# Altium PCB 3-as-manufactured.PcbDoc (part 2 of 16)
Units mil, origin at the board's own origin, x right, y up, seen from the top; angles counter-clockwise.
Board outline 4130.55 x 4250 mil, 8 copper layers (L1_TOP, L2_GND, L3_INT, L4_PWR, L5_PWR, L6_INT, L7_GND, L8_BOT), stack 61 mil thick; 584 components, 489 nets, 2229 pads, 1894 vias.
Unrouted connection lines stored in the file: 4.
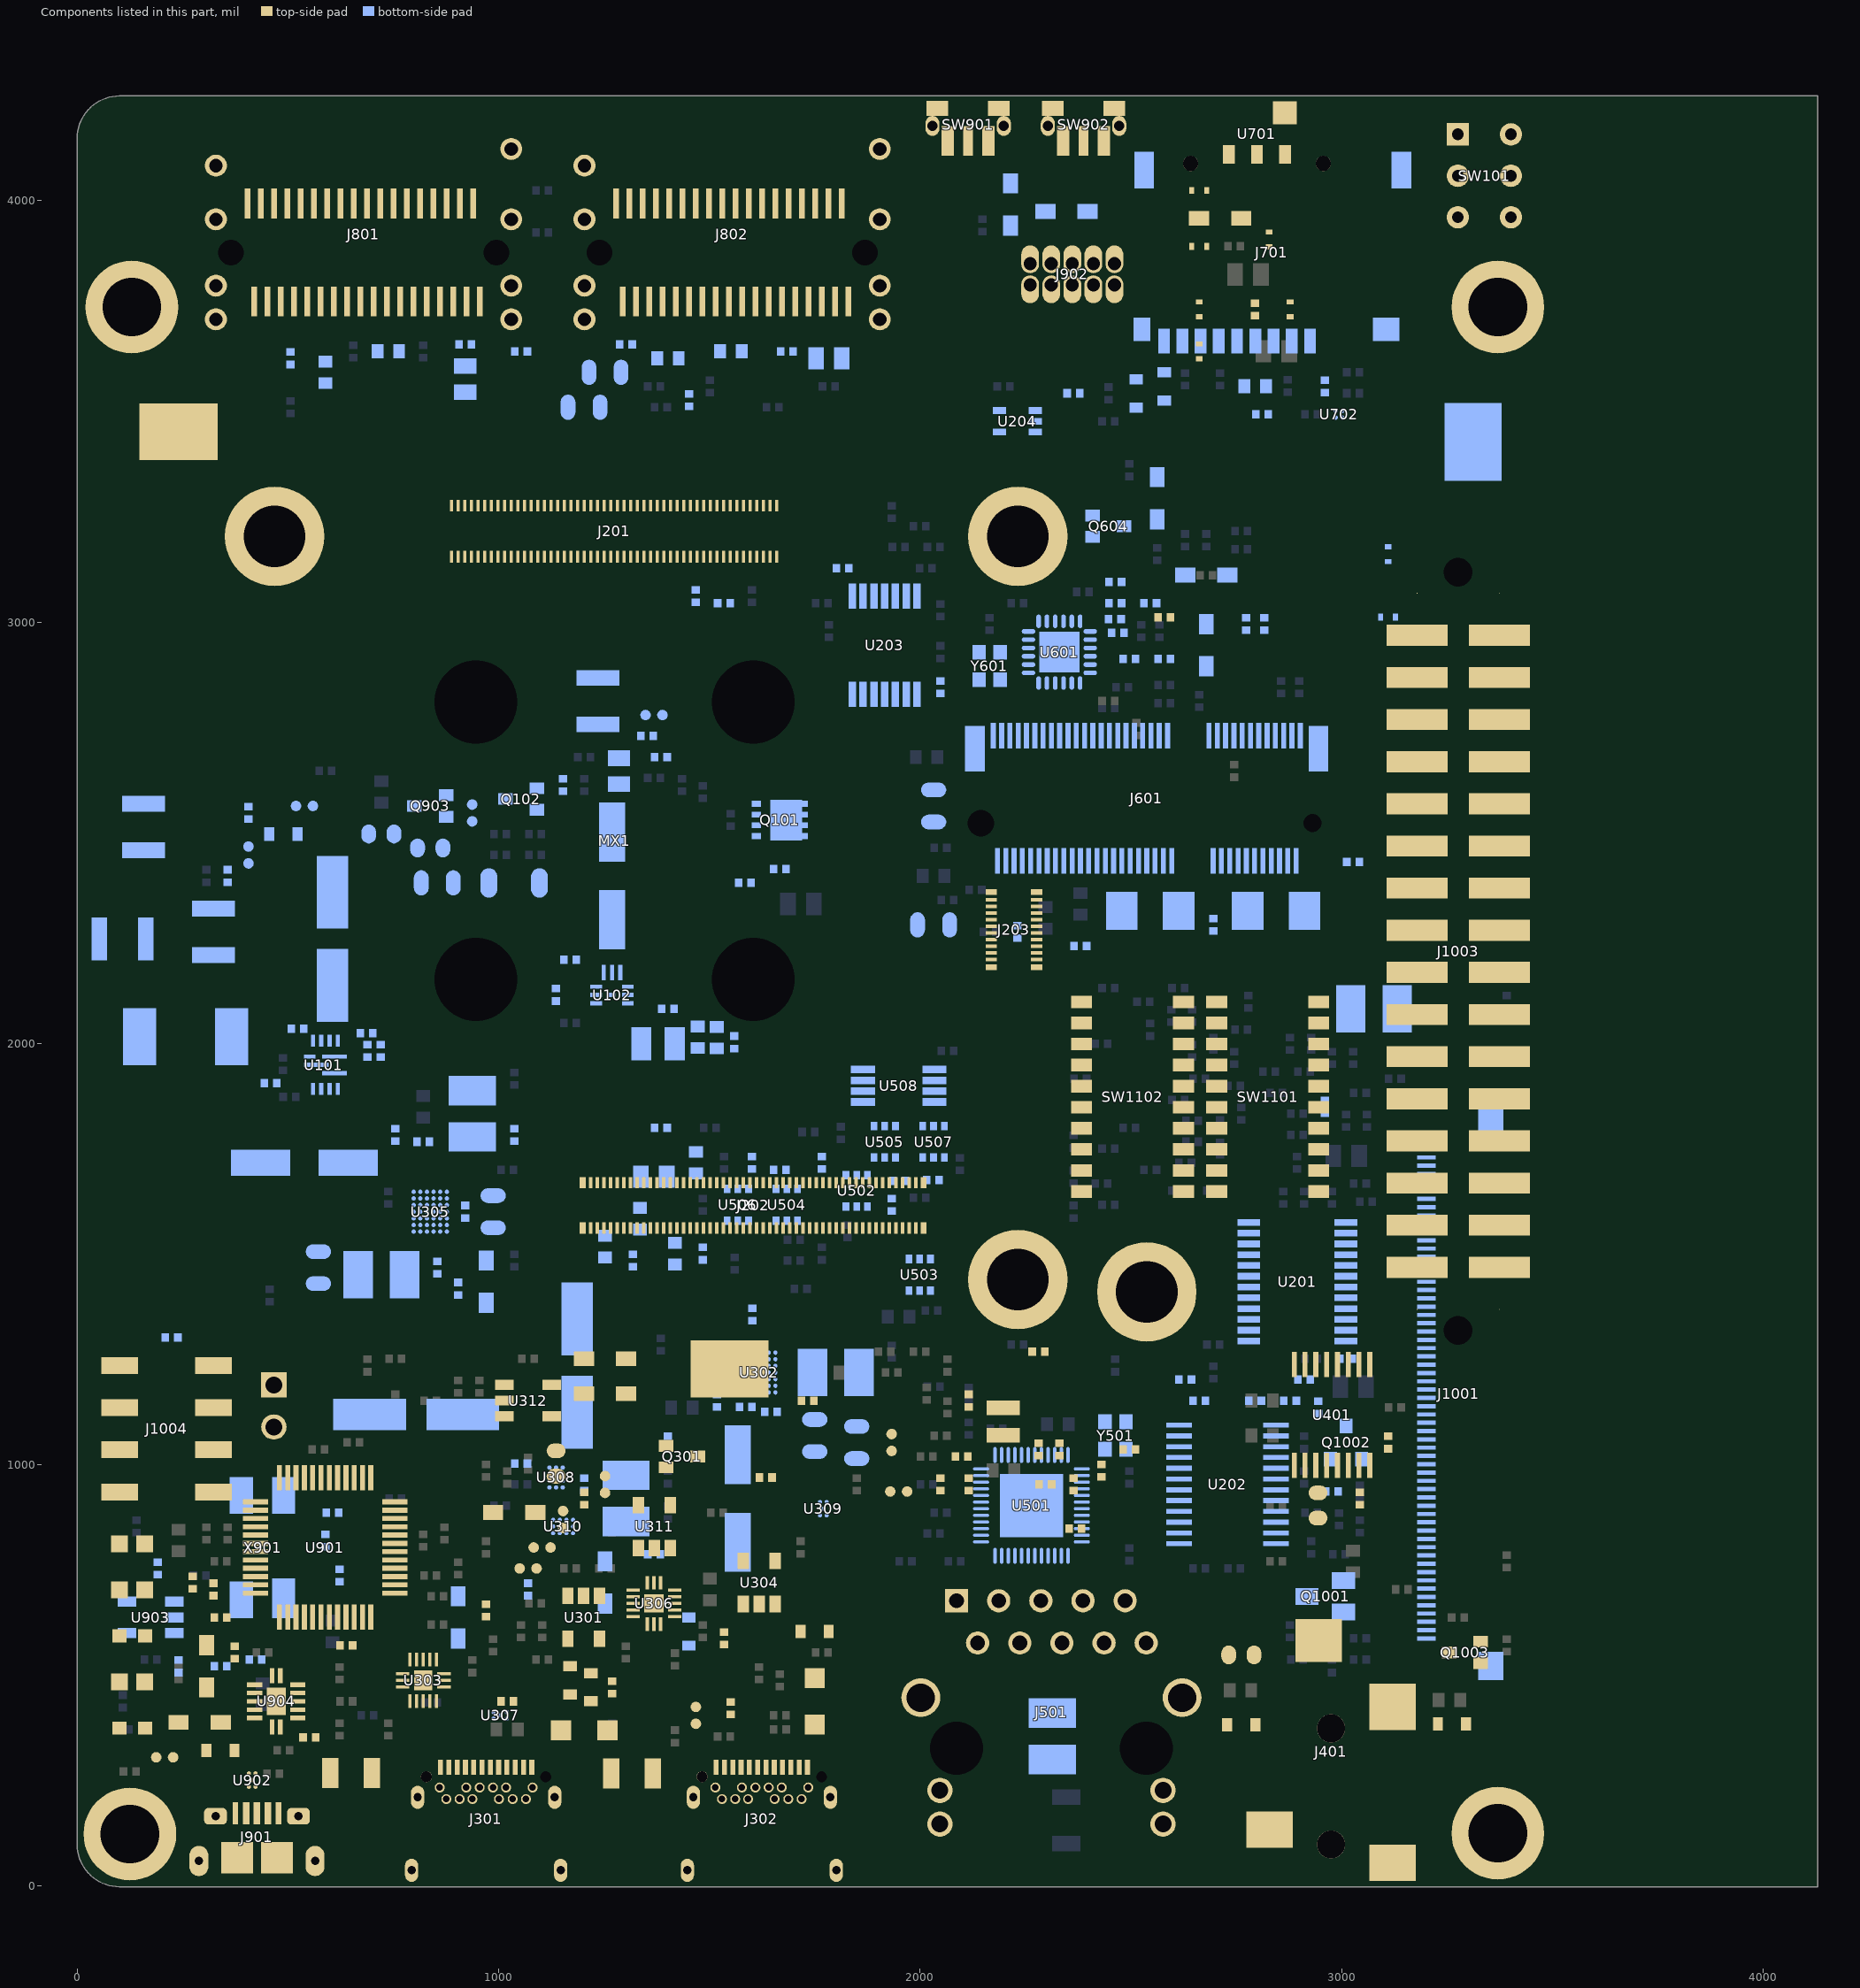
[diagram p8: the components of this part, seen from the top]

## Footprints (in the part's own frame and the unit in brackets; to place one, negate y for a bottom-side part, rotate by r counter-clockwise, add the part's x,y. Pads: shape width x height; smd on the part's side, far side on the other; paste and mask are expansions set on the pad) (continued)
1210_CC [mil] "1210_CC"
  rect 37x102 smd: 1(-55.12,0) 2(55.12,0)
  silkscreen extent -74,-60 74,60, body extent -63,-49 63,49, height 24
C197X364 [mil] "C197X364"
  round 0 hole 197 slot 364 at 0 deg unplated: ""(-465.6,-465.6) ""(465.6,-465.6)
  round 0 hole 197 slot 364 at 90 deg unplated: ""(0,0) ""(0,-931.2)
case_d_al [mil] "CASE_D_AL"
  rect 140x62 smd: 1(-104,0) 2(104,0)
  silkscreen extent -141,-141 141,141, body extent -138,-130 138,130, height 213
CC0603_OV [mil] "CC0603_OV"
  oval 35x45 smd: 1(-30,0) 2(30,0)
  L1_TOP keep-out region: -10,20 10,20 10,-20 -10,-20
  silkscreen extent -5,-25 5,25, body extent -31,-16 31,16, height 22
CC1210 [mil] "CC1210"
  rect 70x112 smd: 1(-55,0) 2(55,0)
  silkscreen extent -97,-63 97,63, body extent -63,-49 63,49, height 47
cc3528-21 [mil] "CC3528-21"
  rect 75x90 smd: 1(-67.5,0) 2(67.5,0)
  silkscreen extent -80,-66 80,66, body extent -73,-58 73,58, height 80
cce8p3x8p3 [mil] "CCE8P3X8P3"
  rect 173x75 smd: 1(-110.5,0) 2(110.5,0)
  silkscreen extent -179,-179 179,179, body extent -195,-163 195,163, height 402
con9_sdcard_1p1mm [mil] "CON9_SDCARD_1P1MM"
  rect 28x59 smd: 1(-88.58,-283.49) 2(-45.28,-283.49) 3(-1.97,-283.49) 4(41.34,-283.49) 5(84.65,-283.49) 6(127.95,-283.49) 7(171.26,-283.49) 8(214.57,-283.49) 9(257.87,-283.49)
  rect 40x55 smd: 10(310,-255.93)
  rect 47x87 smd: 11(305.12,122.03) 12(-305.12,122.03)
  rect 63x55 smd: 13(-269.68,-255.93)
  round 36 hole 36 unplated: ""(-120.08,137.79) ""(194.88,137.79)
  L1_TOP keep-out region: -119,-227.29 -119,50.64 271.65,50.64 271.65,-228.37 -120.08,-228.37
  L1_TOP keep-out region: -166.5,5.64 -166.5,-194.36 -259,-194.36 -259,5.64
  L1_TOP keep-out region: -250,137.1 -250,388.64 -198.5,388.64 -198.5,34.64 -223.92,34.64 -226.38,37.1 -226.38,113.48 -231.38,118.48
  silkscreen extent -290,-276 290,285, body extent -315,-304 319,368, height 77
CON20_0P4_5P7X2P05_SM [mil] "CON20_0P4_5P7X2P05_SM"
  rect 8x27 smd: 1(70.87,-53.85) 2(70.87,53.85) 3(55.12,-53.85) 4(55.12,53.85) 5(39.37,-53.85) 6(39.37,53.85) 7(23.62,-53.85) 8(23.62,53.85) 9(7.87,-53.85) 10(7.87,53.85) 11(-7.87,-53.85) 12(-7.87,53.85) 13(-23.62,-53.85) 14(-23.62,53.85) 15(-39.37,-53.85) 16(-39.37,53.85) 17(-55.12,-53.85) 18(-55.12,53.85) 19(-70.87,-53.85) 20(-70.87,53.85)
  rect 14x27 smd: ""(-89.57,53.85) ""(-89.57,-53.85) ""(89.57,53.85) ""(89.57,-53.85)
  silkscreen extent -120,-47 120,47, body extent -109,-57 109,60, height 45
con100_0p4_21p7x2p05_sm [mil] "CON100_0P4_21P7X2P05_SM"
  rect 8x27 smd: 1(385.83,-53.85) 2(385.83,53.85) 3(370.08,-53.85) 4(370.08,53.85) 5(354.33,-53.85) 6(354.33,53.85) 7(338.58,-53.85) 8(338.58,53.85) 9(322.83,-53.85) 10(322.83,53.85) 11(307.09,-53.85) 12(307.09,53.85) 13(291.34,-53.85) 14(291.34,53.85) 15(275.59,-53.85) 16(275.59,53.85) 17(259.84,-53.85) 18(259.84,53.85) 19(244.09,-53.85) 20(244.09,53.85) 21(228.35,-53.85) 22(228.35,53.85) 23(212.6,-53.85) 24(212.6,53.85) 25(196.85,-53.85) 26(196.85,53.85) 27(181.1,-53.85) 28(181.1,53.85) 29(165.35,-53.85) 30(165.35,53.85) 31(149.61,-53.85) 32(149.61,53.85) 33(133.86,-53.85) 34(133.86,53.85) 35(118.11,-53.85) 36(118.11,53.85) 37(102.36,-53.85) 38(102.36,53.85) 39(86.61,-53.85) 40(86.61,53.85) 41(70.87,-53.85) 42(70.87,53.85) 43(55.12,-53.85) 44(55.12,53.85) 45(39.37,-53.85) 46(39.37,53.85) 47(23.62,-53.85) 48(23.62,53.85) 49(7.87,-53.85) 50(7.87,53.85) 51(-7.87,-53.85) 52(-7.87,53.85) 53(-23.62,-53.85) 54(-23.62,53.85) 55(-39.37,-53.85) 56(-39.37,53.85) 57(-55.12,-53.85) 58(-55.12,53.85) 59(-70.87,-53.85) 60(-70.87,53.85) 61(-86.61,-53.85) 62(-86.61,53.85) 63(-102.36,-53.85) 64(-102.36,53.85) 65(-118.11,-53.85) 66(-118.11,53.85) 67(-133.86,-53.85) 68(-133.86,53.85) 69(-149.61,-53.85) 70(-149.61,53.85) 71(-165.35,-53.85) 72(-165.35,53.85) 73(-181.1,-53.85) 74(-181.1,53.85) 75(-196.85,-53.85) 76(-196.85,53.85) 77(-212.6,-53.85) 78(-212.6,53.85) 79(-228.35,-53.85) 80(-228.35,53.85) 81(-244.09,-53.85) 82(-244.09,53.85) 83(-259.84,-53.85) 84(-259.84,53.85) 85(-275.59,-53.85) 86(-275.59,53.85) 87(-291.34,-53.85) 88(-291.34,53.85) 89(-307.09,-53.85) 90(-307.09,53.85) 91(-322.83,-53.85) 92(-322.83,53.85) 93(-338.58,-53.85) 94(-338.58,53.85) 95(-354.33,-53.85) 96(-354.33,53.85) 97(-370.08,-53.85) 98(-370.08,53.85) 99(-385.83,-53.85) 100(-385.83,53.85)
  rect 14x27 smd: ""(-404.53,-53.85) ""(-404.53,53.85) ""(404.53,-53.85) ""(404.53,53.85)
  silkscreen extent -435,-47 435,47, body extent -445,-67 445,67, height 58
con100_0p4_22p8x3p1_sm [mil] "CON100_0P4_22P8X3P1_SM"
  rect 8x28 smd: 1(-385.83,-60.63) 2(-385.83,60.63) 3(-370.08,-60.63) 4(-370.08,60.63) 5(-354.33,-60.63) 6(-354.33,60.63) 7(-338.58,-60.63) 8(-338.58,60.63) 9(-322.83,-60.63) 10(-322.83,60.63) 11(-307.09,-60.63) 12(-307.09,60.63) 13(-291.34,-60.63) 14(-291.34,60.63) 15(-275.59,-60.63) 16(-275.59,60.63) 17(-259.84,-60.63) 18(-259.84,60.63) 19(-244.09,-60.63) 20(-244.09,60.63) 21(-228.35,-60.63) 22(-228.35,60.63) 23(-212.6,-60.63) 24(-212.6,60.63) 25(-196.85,-60.63) 26(-196.85,60.63) 27(-181.1,-60.63) 28(-181.1,60.63) 29(-165.35,-60.63) 30(-165.35,60.63) 31(-149.61,-60.63) 32(-149.61,60.63) 33(-133.86,-60.63) 34(-133.86,60.63) 35(-118.11,-60.63) 36(-118.11,60.63) 37(-102.36,-60.63) 38(-102.36,60.63) 39(-86.61,-60.63) 40(-86.61,60.63) 41(-70.87,-60.63) 42(-70.87,60.63) 43(-55.12,-60.63) 44(-55.12,60.63) 45(-39.37,-60.63) 46(-39.37,60.63) 47(-23.62,-60.63) 48(-23.62,60.63) 49(-7.87,-60.63) 50(-7.87,60.63) 51(7.87,-60.63) 52(7.87,60.63) 53(23.62,-60.63) 54(23.62,60.63) 55(39.37,-60.63) 56(39.37,60.63) 57(55.12,-60.63) 58(55.12,60.63) 59(70.87,-60.63) 60(70.87,60.63) 61(86.61,-60.63) 62(86.61,60.63) 63(102.36,-60.63) 64(102.36,60.63) 65(118.11,-60.63) 66(118.11,60.63) 67(133.86,-60.63) 68(133.86,60.63) 69(149.61,-60.63) 70(149.61,60.63) 71(165.35,-60.63) 72(165.35,60.63) 73(181.1,-60.63) 74(181.1,60.63) 75(196.85,-60.63) 76(196.85,60.63) 77(212.6,-60.63) 78(212.6,60.63) 79(228.35,-60.63) 80(228.35,60.63) 81(244.09,-60.63) 82(244.09,60.63) 83(259.84,-60.63) 84(259.84,60.63) 85(275.59,-60.63) 86(275.59,60.63) 87(291.34,-60.63) 88(291.34,60.63) 89(307.09,-60.63) 90(307.09,60.63) 91(322.83,-60.63) 92(322.83,60.63) 93(338.58,-60.63) 94(338.58,60.63) 95(354.33,-60.63) 96(354.33,60.63) 97(370.08,-60.63) 98(370.08,60.63) 99(385.83,-60.63) 100(385.83,60.63)
  L1_TOP keep-out region: -342.58,-29.53 -342.58,-46.63 -334.58,-46.63 -334.58,-29.53
  L1_TOP keep-out region: -326.83,-29.53 -326.83,-46.63 -318.83,-46.63 -318.83,-29.53
  L1_TOP keep-out region: -358.33,-29.53 -358.33,-46.63 -350.33,-46.63 -350.33,-29.53
  L1_TOP keep-out region: -389.83,-29.53 -389.83,-46.63 -381.83,-46.63 -381.83,-29.53
  L1_TOP keep-out region: -374.08,-29.53 -374.08,-46.63 -366.08,-46.63 -366.08,-29.53
  L1_TOP keep-out region: 366.08,-29.53 366.08,-46.63 374.08,-46.63 374.08,-29.53
  L1_TOP keep-out region: 381.83,-29.53 381.83,-46.63 389.83,-46.63 389.83,-29.53
  L1_TOP keep-out region: 350.33,-29.53 350.33,-46.63 358.33,-46.63 358.33,-29.53
  L1_TOP keep-out region: 318.83,-29.53 318.83,-46.63 326.83,-46.63 326.83,-29.53
  L1_TOP keep-out region: 334.58,-29.53 334.58,-46.63 342.58,-46.63 342.58,-29.53
  L1_TOP keep-out region: 381.83,46.63 381.83,29.53 389.83,29.53 389.83,46.63
  L1_TOP keep-out region: 366.08,46.63 366.08,29.53 374.08,29.53 374.08,46.63
  L1_TOP keep-out region: 350.33,46.63 350.33,29.53 358.33,29.53 358.33,46.63
  L1_TOP keep-out region: 318.83,46.63 318.83,29.53 326.83,29.53 326.83,46.63
  L1_TOP keep-out region: 334.58,46.63 334.58,29.53 342.58,29.53 342.58,46.63
  L1_TOP keep-out region: -326.83,46.63 -326.83,29.53 -318.83,29.53 -318.83,46.63
  L1_TOP keep-out region: -342.58,46.63 -342.58,29.53 -334.58,29.53 -334.58,46.63
  L1_TOP keep-out region: -358.33,46.63 -358.33,29.53 -350.33,29.53 -350.33,46.63
  L1_TOP keep-out region: -389.83,46.63 -389.83,29.53 -381.83,29.53 -381.83,46.63
  L1_TOP keep-out region: -374.08,46.63 -374.08,29.53 -366.08,29.53 -366.08,46.63
  L1_TOP keep-out region: 303.09,46.63 303.09,29.53 311.09,29.53 311.09,46.63
  L1_TOP keep-out region: 287.34,46.63 287.34,29.53 295.34,29.53 295.34,46.63
  L1_TOP keep-out region: 271.59,46.63 271.59,29.53 279.59,29.53 279.59,46.63
  L1_TOP keep-out region: 255.84,46.63 255.84,29.53 263.84,29.53 263.84,46.63
  L1_TOP keep-out region: 240.09,46.63 240.09,29.53 248.09,29.53 248.09,46.63
  L1_TOP keep-out region: 303.09,-29.53 303.09,-46.63 311.09,-46.63 311.09,-29.53
  L1_TOP keep-out region: 287.34,-29.53 287.34,-46.63 295.34,-46.63 295.34,-29.53
  L1_TOP keep-out region: 271.59,-29.53 271.59,-46.63 279.59,-46.63 279.59,-29.53
  L1_TOP keep-out region: 255.84,-29.53 255.84,-46.63 263.84,-46.63 263.84,-29.53
  L1_TOP keep-out region: 240.09,-29.53 240.09,-46.63 248.09,-46.63 248.09,-29.53
  L1_TOP keep-out region: -137.86,46.63 -137.86,29.53 -129.86,29.53 -129.86,46.63
  L1_TOP keep-out region: -137.86,-29.53 -137.86,-46.63 -129.86,-46.63 -129.86,-29.53
  L1_TOP keep-out region: -153.61,46.63 -153.61,29.53 -145.61,29.53 -145.61,46.63
  L1_TOP keep-out region: -153.61,-29.53 -153.61,-46.63 -145.61,-46.63 -145.61,-29.53
  L1_TOP keep-out region: -169.35,46.63 -169.35,29.53 -161.35,29.53 -161.35,46.63
  L1_TOP keep-out region: -169.35,-29.53 -169.35,-46.63 -161.35,-46.63 -161.35,-29.53
  L1_TOP keep-out region: -200.85,46.63 -200.85,29.53 -192.85,29.53 -192.85,46.63
  L1_TOP keep-out region: -185.1,46.63 -185.1,29.53 -177.1,29.53 -177.1,46.63
  L1_TOP keep-out region: -200.85,-29.53 -200.85,-46.63 -192.85,-46.63 -192.85,-29.53
  L1_TOP keep-out region: -185.1,-29.53 -185.1,-46.63 -177.1,-46.63 -177.1,-29.53
  L1_TOP keep-out region: -216.6,46.63 -216.6,29.53 -208.6,29.53 -208.6,46.63
  L1_TOP keep-out region: -216.6,-29.53 -216.6,-46.63 -208.6,-46.63 -208.6,-29.53
  L1_TOP keep-out region: -232.35,46.63 -232.35,29.53 -224.35,29.53 -224.35,46.63
  L1_TOP keep-out region: -232.35,-29.53 -232.35,-46.63 -224.35,-46.63 -224.35,-29.53
  L1_TOP keep-out region: -263.84,46.63 -263.84,29.53 -255.84,29.53 -255.84,46.63
  L1_TOP keep-out region: -248.09,46.63 -248.09,29.53 -240.09,29.53 -240.09,46.63
  L1_TOP keep-out region: -263.84,-29.53 -263.84,-46.63 -255.84,-46.63 -255.84,-29.53
  L1_TOP keep-out region: -248.09,-29.53 -248.09,-46.63 -240.09,-46.63 -240.09,-29.53
  L1_TOP keep-out region: -279.59,46.63 -279.59,29.53 -271.59,29.53 -271.59,46.63
  L1_TOP keep-out region: -279.59,-29.53 -279.59,-46.63 -271.59,-46.63 -271.59,-29.53
  L1_TOP keep-out region: -295.34,46.63 -295.34,29.53 -287.34,29.53 -287.34,46.63
  L1_TOP keep-out region: -295.34,-29.53 -295.34,-46.63 -287.34,-46.63 -287.34,-29.53
  L1_TOP keep-out region: -311.09,46.63 -311.09,29.53 -303.09,29.53 -303.09,46.63
  L1_TOP keep-out region: -311.09,-29.53 -311.09,-46.63 -303.09,-46.63 -303.09,-29.53
  L1_TOP keep-out region: 224.35,46.63 224.35,29.53 232.35,29.53 232.35,46.63
  L1_TOP keep-out region: 224.35,-29.53 224.35,-46.63 232.35,-46.63 232.35,-29.53
  L1_TOP keep-out region: 208.6,46.63 208.6,29.53 216.6,29.53 216.6,46.63
  L1_TOP keep-out region: 208.6,-29.53 208.6,-46.63 216.6,-46.63 216.6,-29.53
  L1_TOP keep-out region: 192.85,46.63 192.85,29.53 200.85,29.53 200.85,46.63
  L1_TOP keep-out region: 192.85,-29.53 192.85,-46.63 200.85,-46.63 200.85,-29.53
  L1_TOP keep-out region: 161.35,46.63 161.35,29.53 169.35,29.53 169.35,46.63
  L1_TOP keep-out region: 177.1,46.63 177.1,29.53 185.1,29.53 185.1,46.63
  L1_TOP keep-out region: 161.35,-29.53 161.35,-46.63 169.35,-46.63 169.35,-29.53
  L1_TOP keep-out region: 177.1,-29.53 177.1,-46.63 185.1,-46.63 185.1,-29.53
  L1_TOP keep-out region: 145.61,46.63 145.61,29.53 153.61,29.53 153.61,46.63
  L1_TOP keep-out region: 145.61,-29.53 145.61,-46.63 153.61,-46.63 153.61,-29.53
  L1_TOP keep-out region: 129.86,46.63 129.86,29.53 137.86,29.53 137.86,46.63
  L1_TOP keep-out region: 129.86,-29.53 129.86,-46.63 137.86,-46.63 137.86,-29.53
  L1_TOP keep-out region: 98.36,46.63 98.36,29.53 106.36,29.53 106.36,46.63
  L1_TOP keep-out region: 114.11,46.63 114.11,29.53 122.11,29.53 122.11,46.63
  L1_TOP keep-out region: 98.36,-29.53 98.36,-46.63 106.36,-46.63 106.36,-29.53
  L1_TOP keep-out region: 114.11,-29.53 114.11,-46.63 122.11,-46.63 122.11,-29.53
  L1_TOP keep-out region: 82.61,46.63 82.61,29.53 90.61,29.53 90.61,46.63
  L1_TOP keep-out region: 82.61,-29.53 82.61,-46.63 90.61,-46.63 90.61,-29.53
  L1_TOP keep-out region: 66.87,46.63 66.87,29.53 74.87,29.53 74.87,46.63
  L1_TOP keep-out region: 66.87,-29.53 66.87,-46.63 74.87,-46.63 74.87,-29.53
  L1_TOP keep-out region: 35.37,-29.53 35.37,-46.63 43.37,-46.63 43.37,-29.53
  L1_TOP keep-out region: 19.62,-29.53 19.62,-46.63 27.62,-46.63 27.62,-29.53
  L1_TOP keep-out region: 3.87,-29.53 3.87,-46.63 11.87,-46.63 11.87,-29.53
  L1_TOP keep-out region: -11.87,-29.53 -11.87,-46.63 -3.87,-46.63 -3.87,-29.53
  L1_TOP keep-out region: -27.62,-29.53 -27.62,-46.63 -19.62,-46.63 -19.62,-29.53
  L1_TOP keep-out region: -43.37,-29.53 -43.37,-46.63 -35.37,-46.63 -35.37,-29.53
  L1_TOP keep-out region: -59.12,-29.53 -59.12,-46.63 -51.12,-46.63 -51.12,-29.53
  L1_TOP keep-out region: -74.87,-29.53 -74.87,-46.63 -66.87,-46.63 -66.87,-29.53
  L1_TOP keep-out region: -90.61,-29.53 -90.61,-46.63 -82.61,-46.63 -82.61,-29.53
  L1_TOP keep-out region: -106.36,-29.53 -106.36,-46.63 -98.36,-46.63 -98.36,-29.53
  L1_TOP keep-out region: -122.11,-29.53 -122.11,-46.63 -114.11,-46.63 -114.11,-29.53
  L1_TOP keep-out region: 51.12,-29.53 51.12,-46.63 59.12,-46.63 59.12,-29.53
  L1_TOP keep-out region: 51.12,46.63 51.12,29.53 59.12,29.53 59.12,46.63
  L1_TOP keep-out region: 35.37,46.63 35.37,29.53 43.37,29.53 43.37,46.63
  L1_TOP keep-out region: 19.62,46.63 19.62,29.53 27.62,29.53 27.62,46.63
  L1_TOP keep-out region: 3.87,46.63 3.87,29.53 11.87,29.53 11.87,46.63
  L1_TOP keep-out region: -11.87,46.63 -11.87,29.53 -3.87,29.53 -3.87,46.63
  L1_TOP keep-out region: -27.62,46.63 -27.62,29.53 -19.62,29.53 -19.62,46.63
  L1_TOP keep-out region: -43.37,46.63 -43.37,29.53 -35.37,29.53 -35.37,46.63
  L1_TOP keep-out region: -59.12,46.63 -59.12,29.53 -51.12,29.53 -51.12,46.63
  L1_TOP keep-out region: -74.87,46.63 -74.87,29.53 -66.87,29.53 -66.87,46.63
  L1_TOP keep-out region: -90.61,46.63 -90.61,29.53 -82.61,29.53 -82.61,46.63
  L1_TOP keep-out region: -106.36,46.63 -106.36,29.53 -98.36,29.53 -98.36,46.63
  L1_TOP keep-out region: -122.11,46.63 -122.11,29.53 -114.11,29.53 -114.11,46.63
  silkscreen extent -456,-69 456,69, body extent -445,-67 445,67, height 58
CON_2RH_10_50 [mil] "CON_2RH_10_50"
  oval 42x66 hole 31 copper offset 0,-10.5: 1(0,0) 3(50,0) 5(100,0) 7(150,0) 9(200,0)
  oval 42x66 hole 31 copper offset 0,10.5: 2(0,50) 4(50,50) 6(100,50) 8(150,50) 10(200,50)
  silkscreen extent -55,-55 255,105, body extent -50,-50 250,100, height 228
CON_2X4_SKT_100_SM [mil] "CON_2X4_SKT_100_SM"
  rect 88x40 smd: 1(111.25,150) 2(-111.25,150) 3(111.25,50) 4(-111.25,50) 5(111.25,-50) 6(-111.25,-50) 7(111.25,-150) 8(-111.25,-150)
  silkscreen extent -107,-212 107,212, body extent -104,-200 104,200, height 236
CON_36_0P8_TH [mil] "CON_36_0P8_TH"
  rect 14x71 smd: A1(-259.84,-116.14) A2(-228.35,-116.14) A3(-196.85,-116.14) A4(-165.35,-116.14) A5(-133.86,-116.14) A6(-102.36,-116.14) A7(-70.87,-116.14) A8(-39.37,-116.14) A9(-7.87,-116.14) A10(23.62,-116.14) A11(55.12,-116.14) A12(86.61,-116.14) A13(118.11,-116.14) A14(149.61,-116.14) A15(181.1,-116.14) A16(212.6,-116.14) A17(244.09,-116.14) A18(275.59,-116.14) B1(-275.59,116.14) B2(-244.09,116.14) B3(-212.6,116.14) B4(-181.1,116.14) B5(-149.61,116.14) B6(-118.11,116.14) B7(-86.61,116.14) B8(-55.12,116.14) B9(-23.62,116.14) B10(7.87,116.14) B11(39.37,116.14) B12(70.87,116.14) B13(102.36,116.14) B14(133.86,116.14) B15(165.35,116.14) B16(196.85,116.14) B17(228.35,116.14) B18(259.84,116.14)
  round 52 hole 32: T1(-350.39,-158.66) T2(-350.39,-78.74) T3(-350.39,78.74) T4(-350.39,206.3) T5(350.39,-158.66) T6(350.39,-78.74) T7(350.39,78.74) T8(350.39,245.67)
  round 10 hole 61 unplated: ""(-314.96,0) ""(314.96,0)
  L1_TOP keep-out region: 362.8,-212.57 362.8,309.65 337.99,309.65 337.99,-212.57
  L1_TOP keep-out region: -337.99,-212.57 -337.99,309.82 -362.8,309.82 -362.8,-212.57
  L8_BOT keep-out region: -324.18,206.3 -325.07,213.08 -327.69,219.41 -331.85,224.84 -337.28,229 -343.61,231.62 -350.39,232.52 -357.18,231.62 -363.5,229 -363.5,229 -368.93,224.84 -373.1,219.41 -375.72,213.08 -376.61,206.3 -375.72,199.51 -373.1,193.19 -368.93,187.76 -363.5,183.59 -363.5,183.59 -357.18,180.97 -350.39,180.08 -343.61,180.97 -337.28,183.59 -331.85,187.76 -327.69,193.19 -325.07,199.51 -324.18,206.3
  L8_BOT keep-out region: -324.18,78.74 -325.07,85.53 -327.69,91.85 -331.85,97.28 -337.28,101.45 -343.61,104.06 -350.39,104.96 -357.18,104.06 -363.5,101.45 -363.5,101.45 -368.93,97.28 -373.1,91.85 -375.72,85.53 -376.61,78.74 -375.72,71.95 -373.1,65.63 -368.93,60.2 -363.5,56.03 -363.5,56.03 -357.18,53.42 -350.39,52.52 -343.61,53.42 -337.28,56.03 -331.85,60.2 -327.69,65.63 -325.07,71.95 -324.18,78.74
  L8_BOT keep-out region: -324.18,-78.74 -325.07,-71.95 -327.69,-65.63 -331.85,-60.2 -337.28,-56.03 -343.61,-53.42 -350.39,-52.52 -357.18,-53.42 -363.5,-56.03 -363.5,-56.03 -368.93,-60.2 -373.1,-65.63 -375.72,-71.95 -376.61,-78.74 -375.72,-85.53 -373.1,-91.85 -368.93,-97.28 -363.5,-101.45 -363.5,-101.45 -357.18,-104.06 -350.39,-104.96 -343.61,-104.06 -337.28,-101.45 -331.85,-97.28 -327.69,-91.85 -325.07,-85.53 -324.18,-78.74
  L8_BOT keep-out region: -324.17,-158.66 -325.06,-151.87 -327.68,-145.55 -331.85,-140.12 -337.28,-135.95 -343.61,-133.33 -350.39,-132.43 -357.18,-133.33 -363.51,-135.95 -363.51,-135.95 -368.94,-140.12 -373.11,-145.55 -375.73,-151.87 -376.62,-158.66 -375.73,-165.45 -373.11,-171.78 -368.94,-177.21 -363.51,-181.38 -363.51,-181.38 -357.18,-184 -350.39,-184.89 -343.61,-184 -337.28,-181.38 -331.85,-177.21 -327.68,-171.78 -325.06,-165.45 -324.17,-158.66
  L8_BOT keep-out region: 376.61,-158.66 375.72,-151.88 373.1,-145.55 368.93,-140.12 363.5,-135.95 357.18,-133.33 350.39,-132.44 343.61,-133.33 337.28,-135.95 337.28,-135.95 331.85,-140.12 327.69,-145.55 325.07,-151.88 324.17,-158.66 325.07,-165.45 327.69,-171.77 331.85,-177.2 337.28,-181.37 337.28,-181.37 343.61,-183.99 350.39,-184.88 357.18,-183.99 363.5,-181.37 368.93,-177.2 373.1,-171.77 375.72,-165.45 376.61,-158.66
  L8_BOT keep-out region: 376.62,-78.74 375.73,-71.95 373.11,-65.62 368.94,-60.19 363.51,-56.02 357.18,-53.4 350.39,-52.51 343.6,-53.4 337.28,-56.02 337.28,-56.02 331.85,-60.19 327.68,-65.62 325.06,-71.95 324.16,-78.74 325.06,-85.53 327.68,-91.86 331.85,-97.29 337.28,-101.46 337.28,-101.46 343.6,-104.08 350.39,-104.97 357.18,-104.08 363.51,-101.46 368.94,-97.29 373.11,-91.86 375.73,-85.53 376.62,-78.74
  L8_BOT keep-out region: 376.62,78.74 375.73,85.53 373.11,91.86 368.94,97.29 363.51,101.46 357.18,104.08 350.39,104.97 343.6,104.08 337.28,101.46 337.28,101.46 331.85,97.29 327.68,91.86 325.06,85.53 324.16,78.74 325.06,71.95 327.68,65.62 331.85,60.19 337.28,56.02 337.28,56.02 343.6,53.4 350.39,52.51 357.18,53.4 363.51,56.02 368.94,60.19 373.11,65.62 375.73,71.95 376.62,78.74
  L8_BOT keep-out region: 376.62,245.67 375.73,252.46 373.11,258.78 368.94,264.22 363.51,268.39 357.18,271.01 350.39,271.9 343.6,271.01 337.28,268.39 337.28,268.39 331.85,264.22 327.68,258.78 325.06,252.46 324.16,245.67 325.06,238.88 327.68,232.55 331.85,227.12 337.28,222.95 337.28,222.95 343.6,220.33 350.39,219.44 357.18,220.33 363.51,222.95 368.94,227.12 373.11,232.55 375.73,238.88 376.62,245.67
  Keep-Out Layer circle w10: c314.96,0 r40.28
  Keep-Out Layer circle w10: c-314.96,0 r40.28
  silkscreen extent -412,-230 412,317, body extent -367,-492 365,523, height 911
CON_75_0P5_22X9_RA [mil] "CON_75_0P5_22X9_RA"
  rect 12x61 smd: 1(-364.17,141.73) 2(-354.33,-155.51) 3(-344.49,141.73) 4(-334.65,-155.51) 5(-324.8,141.73) 6(-314.96,-155.51) 7(-305.12,141.73) 8(-295.28,-155.51) 9(-285.43,141.73) 10(-275.59,-155.51) 11(-265.75,141.73) 12(-255.91,-155.51) 13(-246.06,141.73) 14(-236.22,-155.51) 15(-226.38,141.73) 16(-216.54,-155.51) 17(-206.69,141.73) 18(-196.85,-155.51) 19(-187.01,141.73) 20(-177.17,-155.51) 21(-167.32,141.73) 22(-157.48,-155.51) 23(-147.64,141.73) 32(-59.06,-155.51) 33(-49.21,141.73) 34(-39.37,-155.51) 35(-29.53,141.73) 36(-19.69,-155.51) 37(-9.84,141.73) 38(0,-155.51) 39(9.84,141.73) 40(19.69,-155.51) 41(29.53,141.73) 42(39.37,-155.51) 43(49.21,141.73) 44(59.06,-155.51) 45(68.9,141.73) 46(78.74,-155.51) 47(88.58,141.73) 48(98.43,-155.51) 49(108.27,141.73) 50(118.11,-155.51) 51(127.95,141.73) 52(137.8,-155.51) 53(147.64,141.73) 54(157.48,-155.51) 55(167.32,141.73) 56(177.17,-155.51) 57(187.01,141.73) 58(196.85,-155.51) 59(206.69,141.73) 60(216.54,-155.51) 61(226.38,141.73) 62(236.22,-155.51) 63(246.06,141.73) 64(255.91,-155.51) 65(265.75,141.73) 66(275.59,-155.51) 67(285.43,141.73) 68(295.28,-155.51) 69(305.12,141.73) 70(314.96,-155.51) 71(324.8,141.73) 72(334.65,-155.51) 73(344.49,141.73) 74(354.33,-155.51) 75(364.17,141.73)